# Altium PCB mcb2.PcbDoc (part 1 of 2)
Units mm, origin at the board's own origin, x right, y up, seen from the top; angles counter-clockwise.
Board outline 110 x 120 mm, 4 copper layers (Top Layer, GND, PWR, Bottom Layer), stack 1.537 mm thick; 173 components, 192 nets, 761 pads, 380 vias.
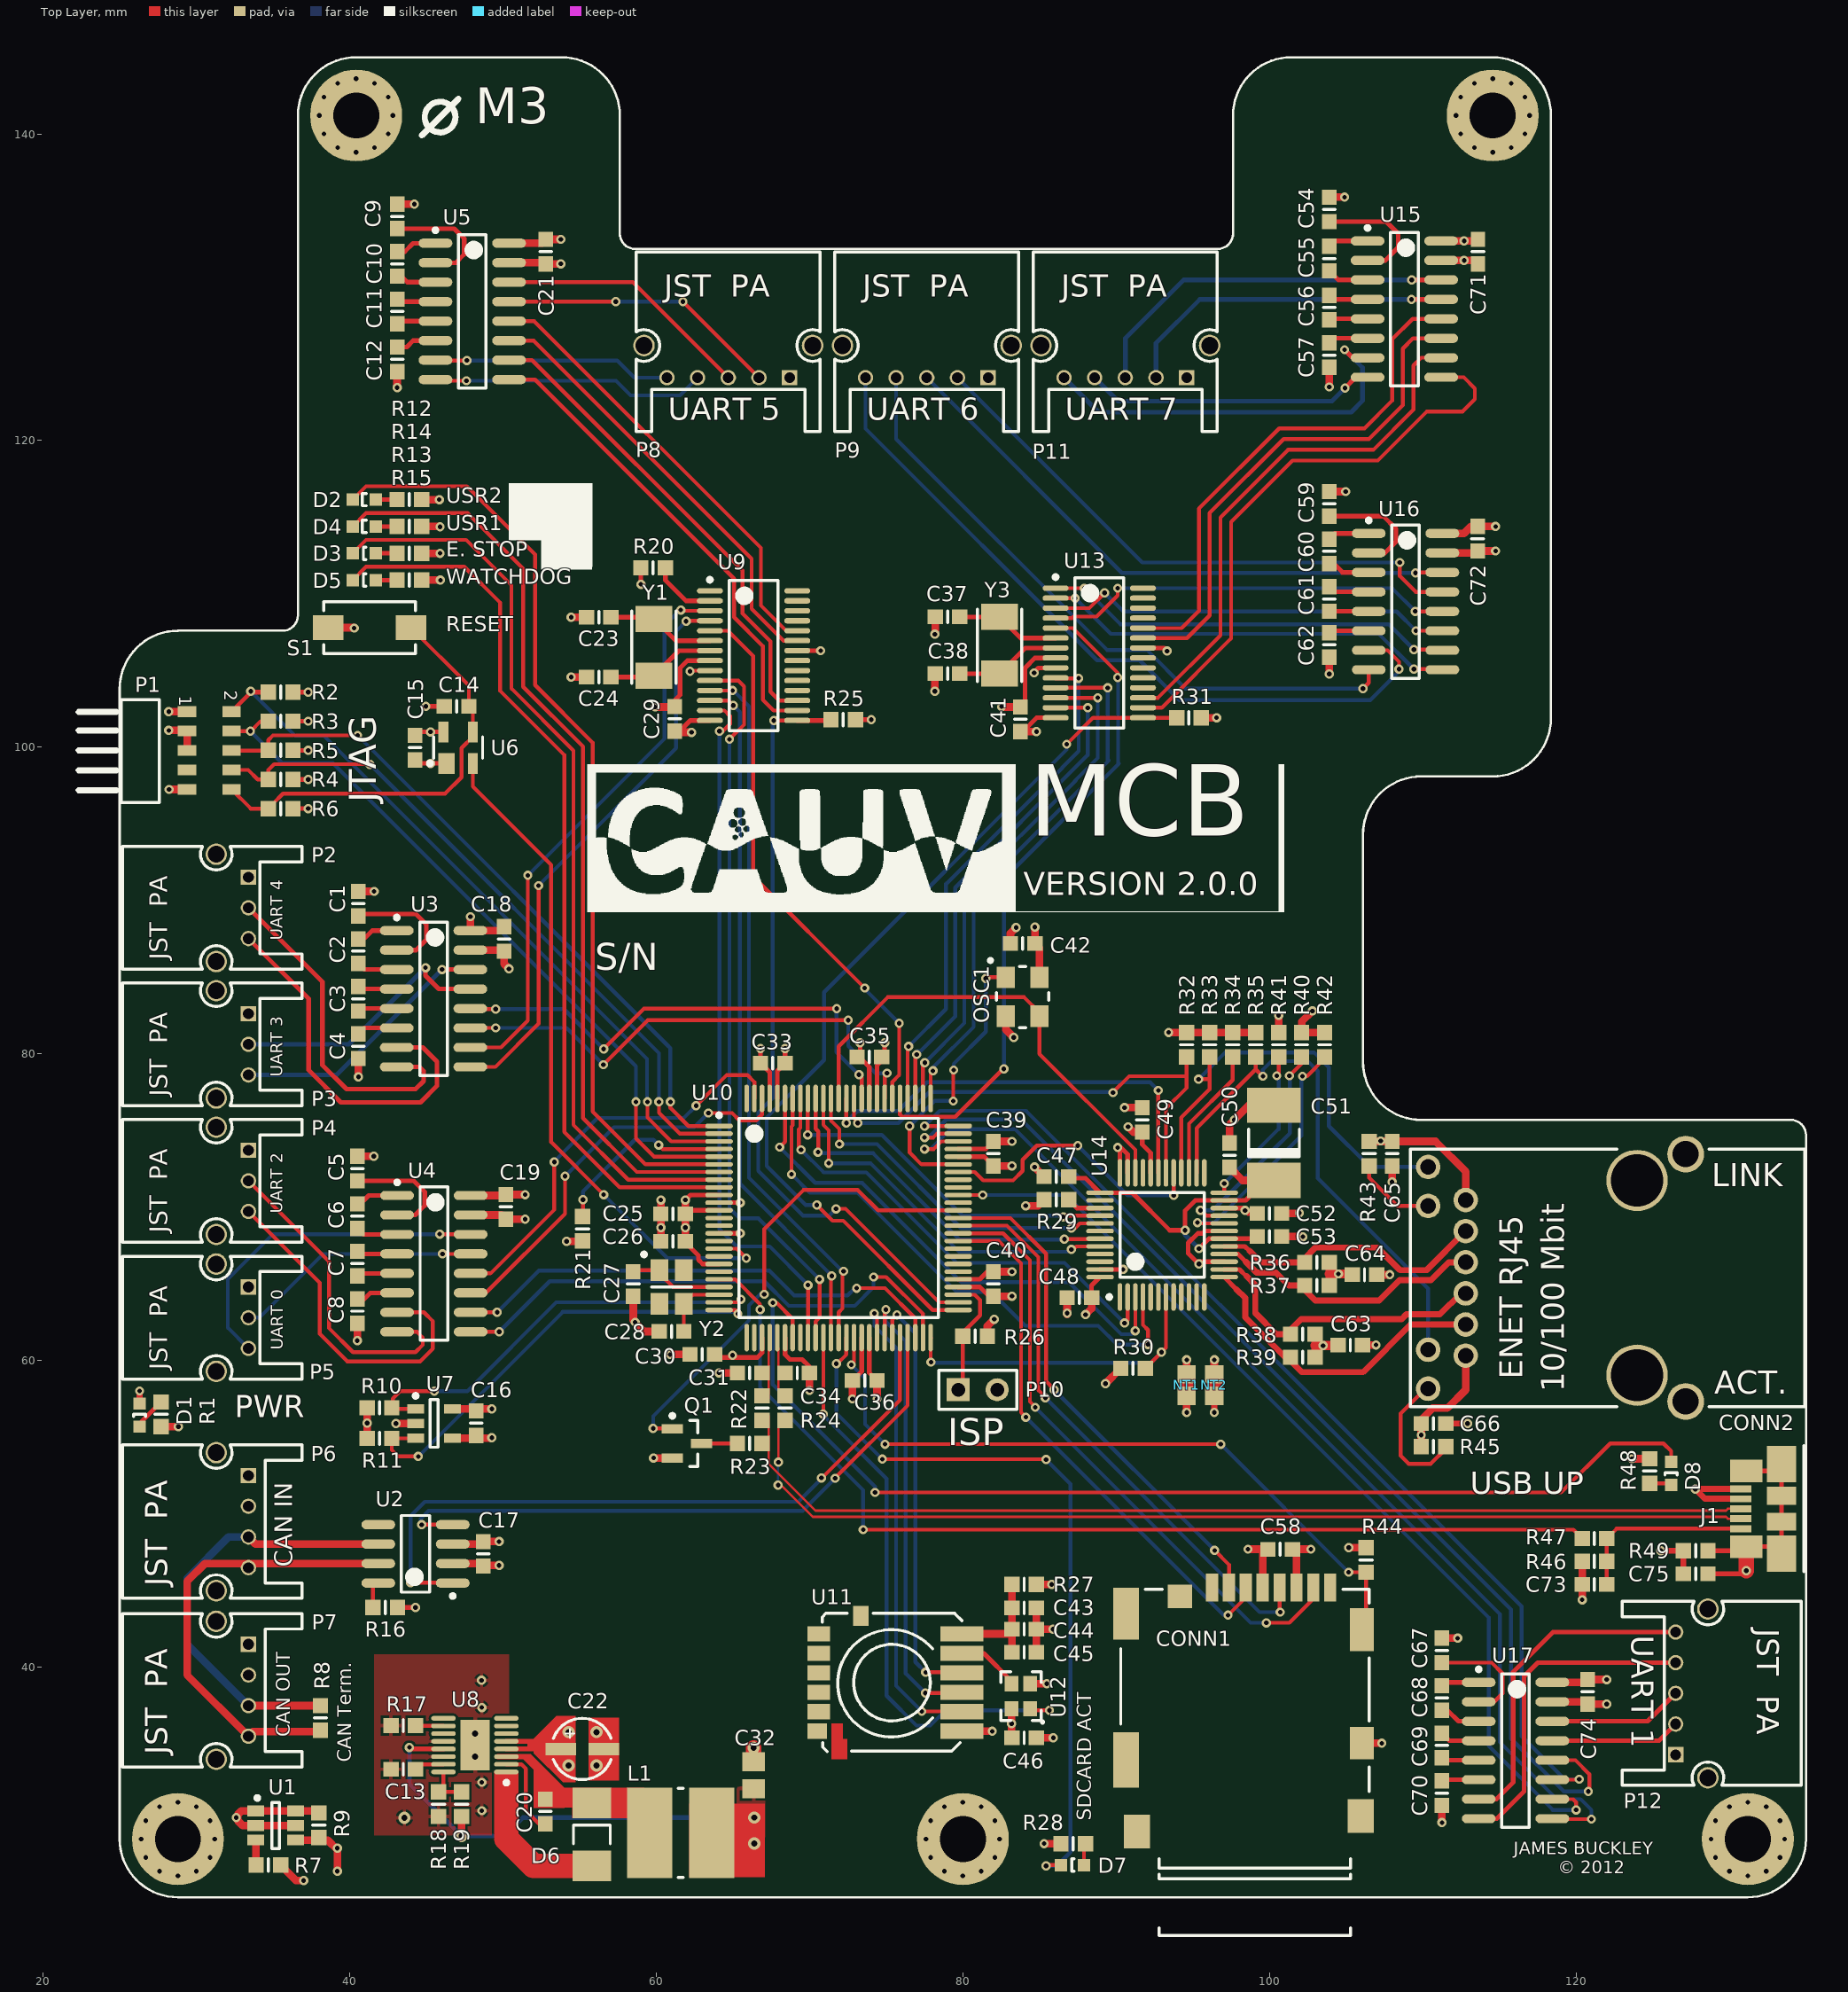
[diagram p0: Top Layer view]
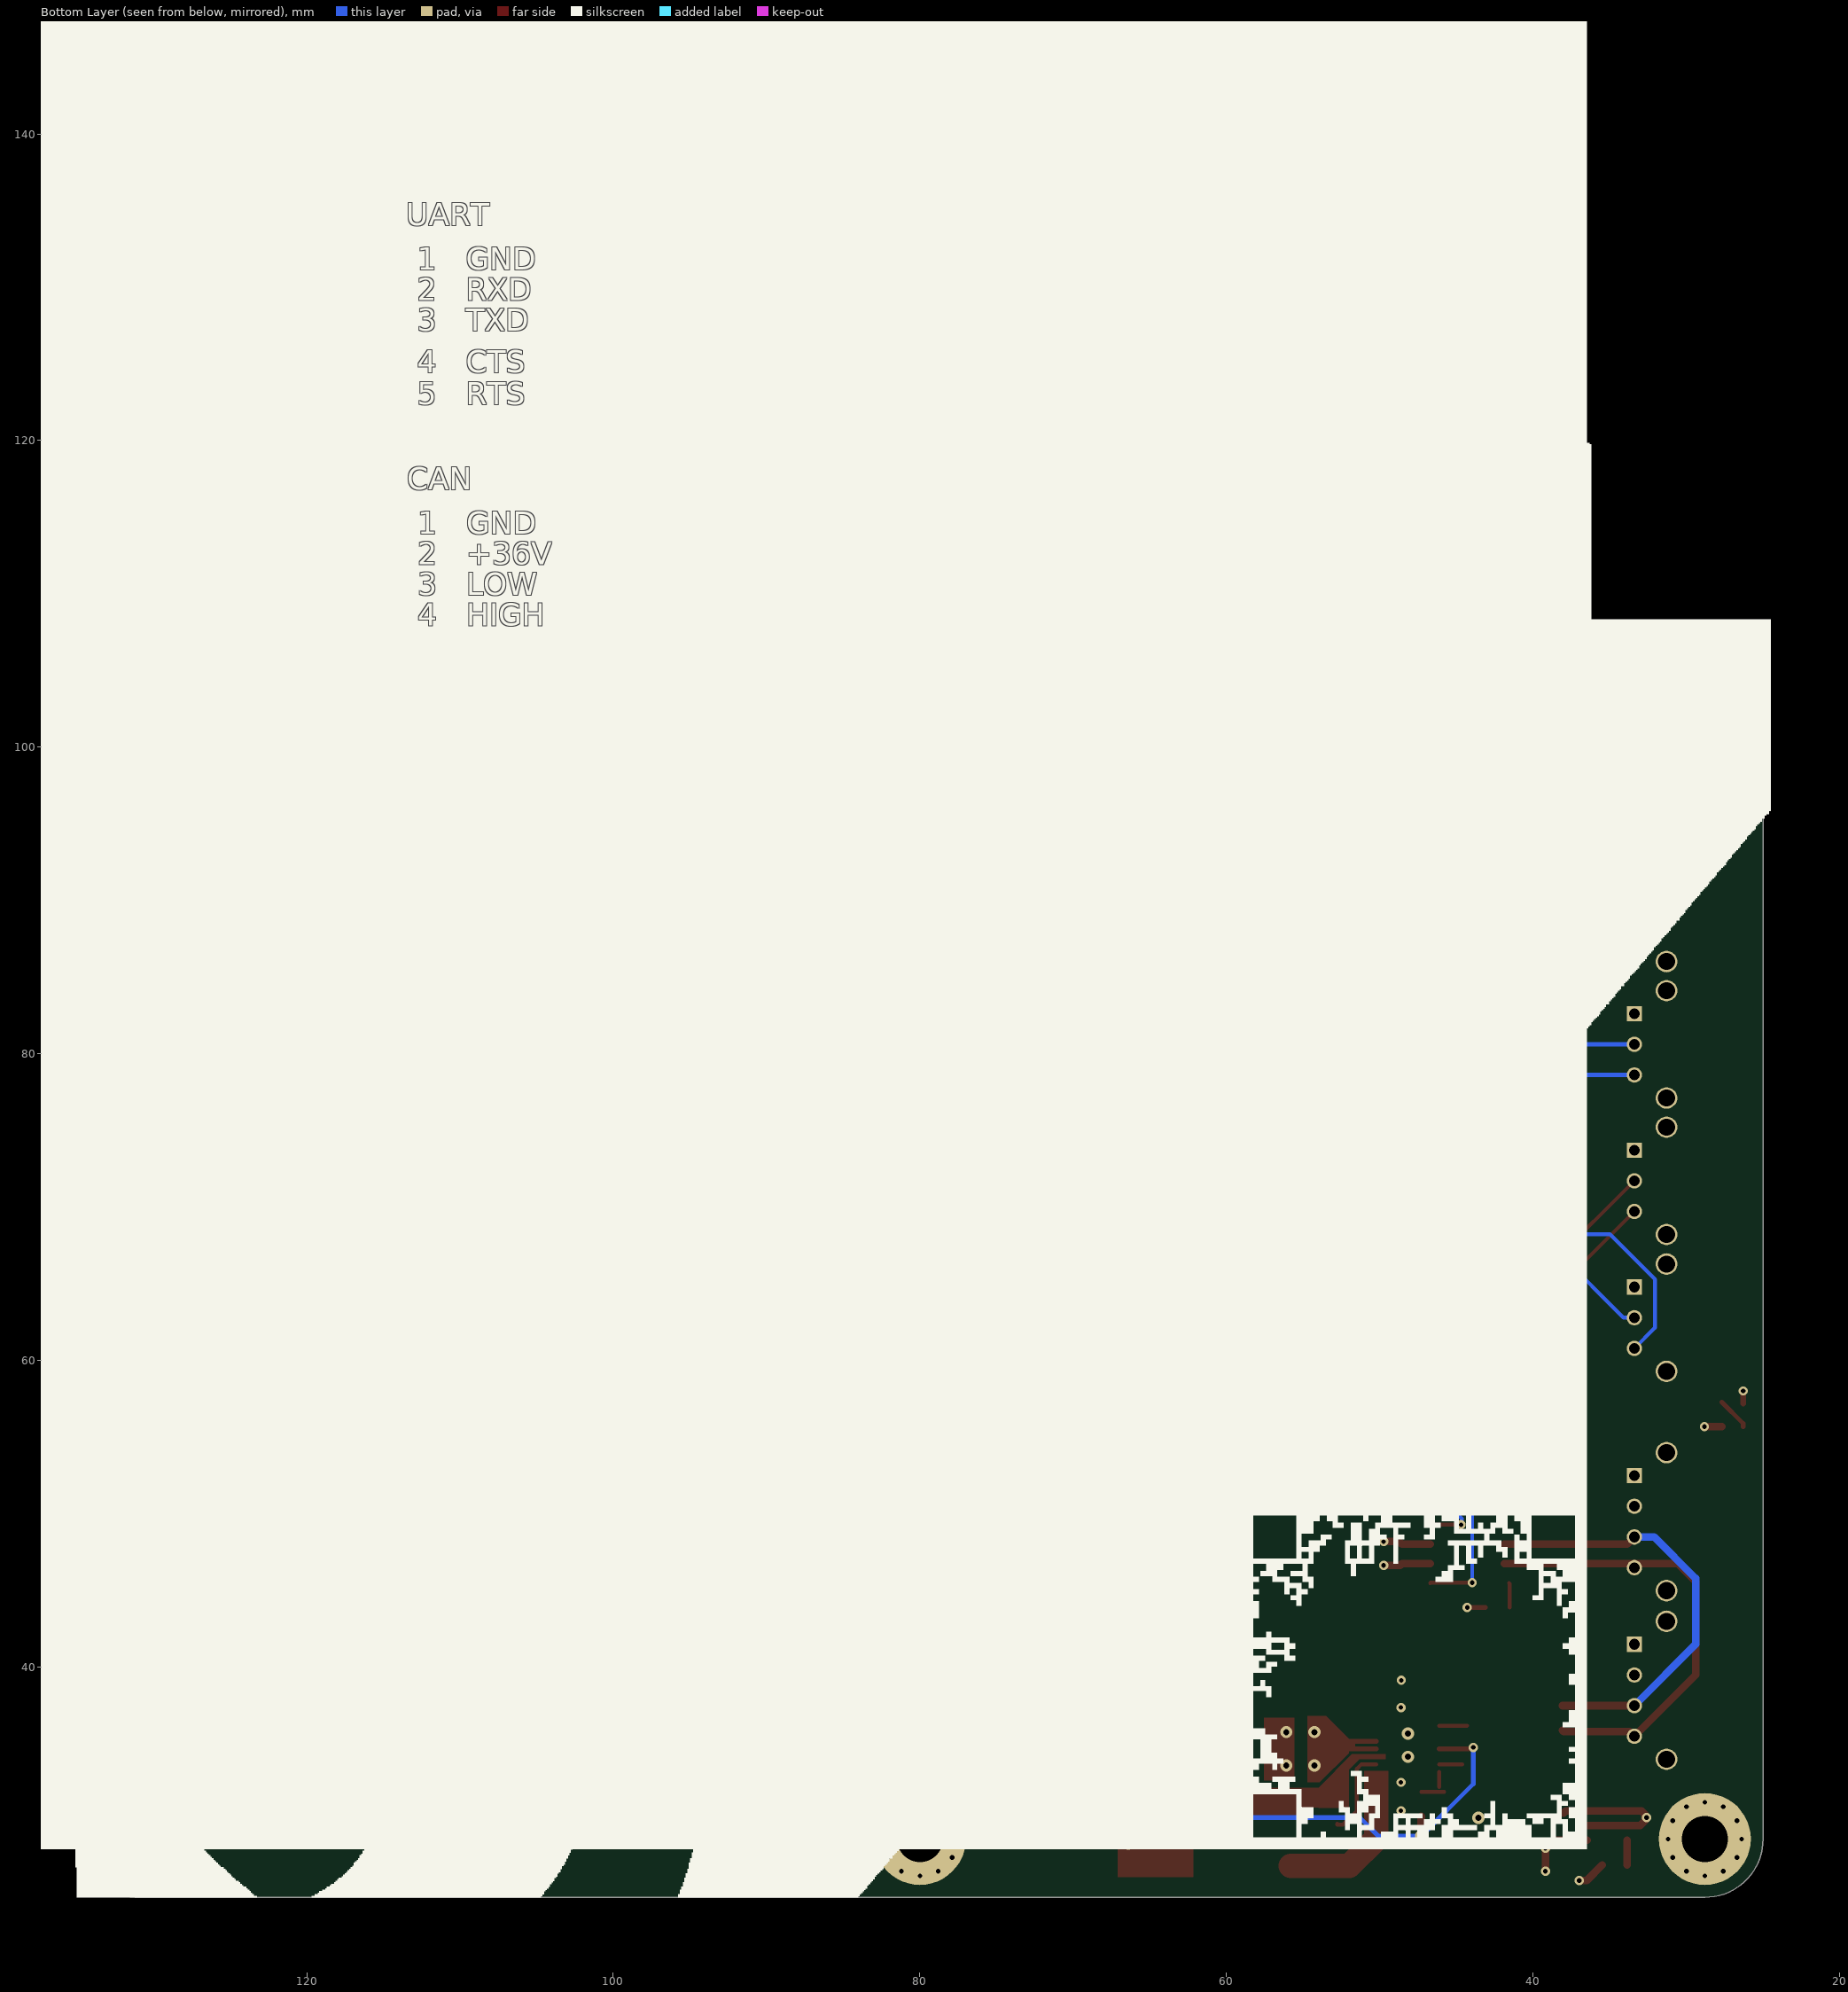
[diagram p1: Bottom Layer view, seen from below]
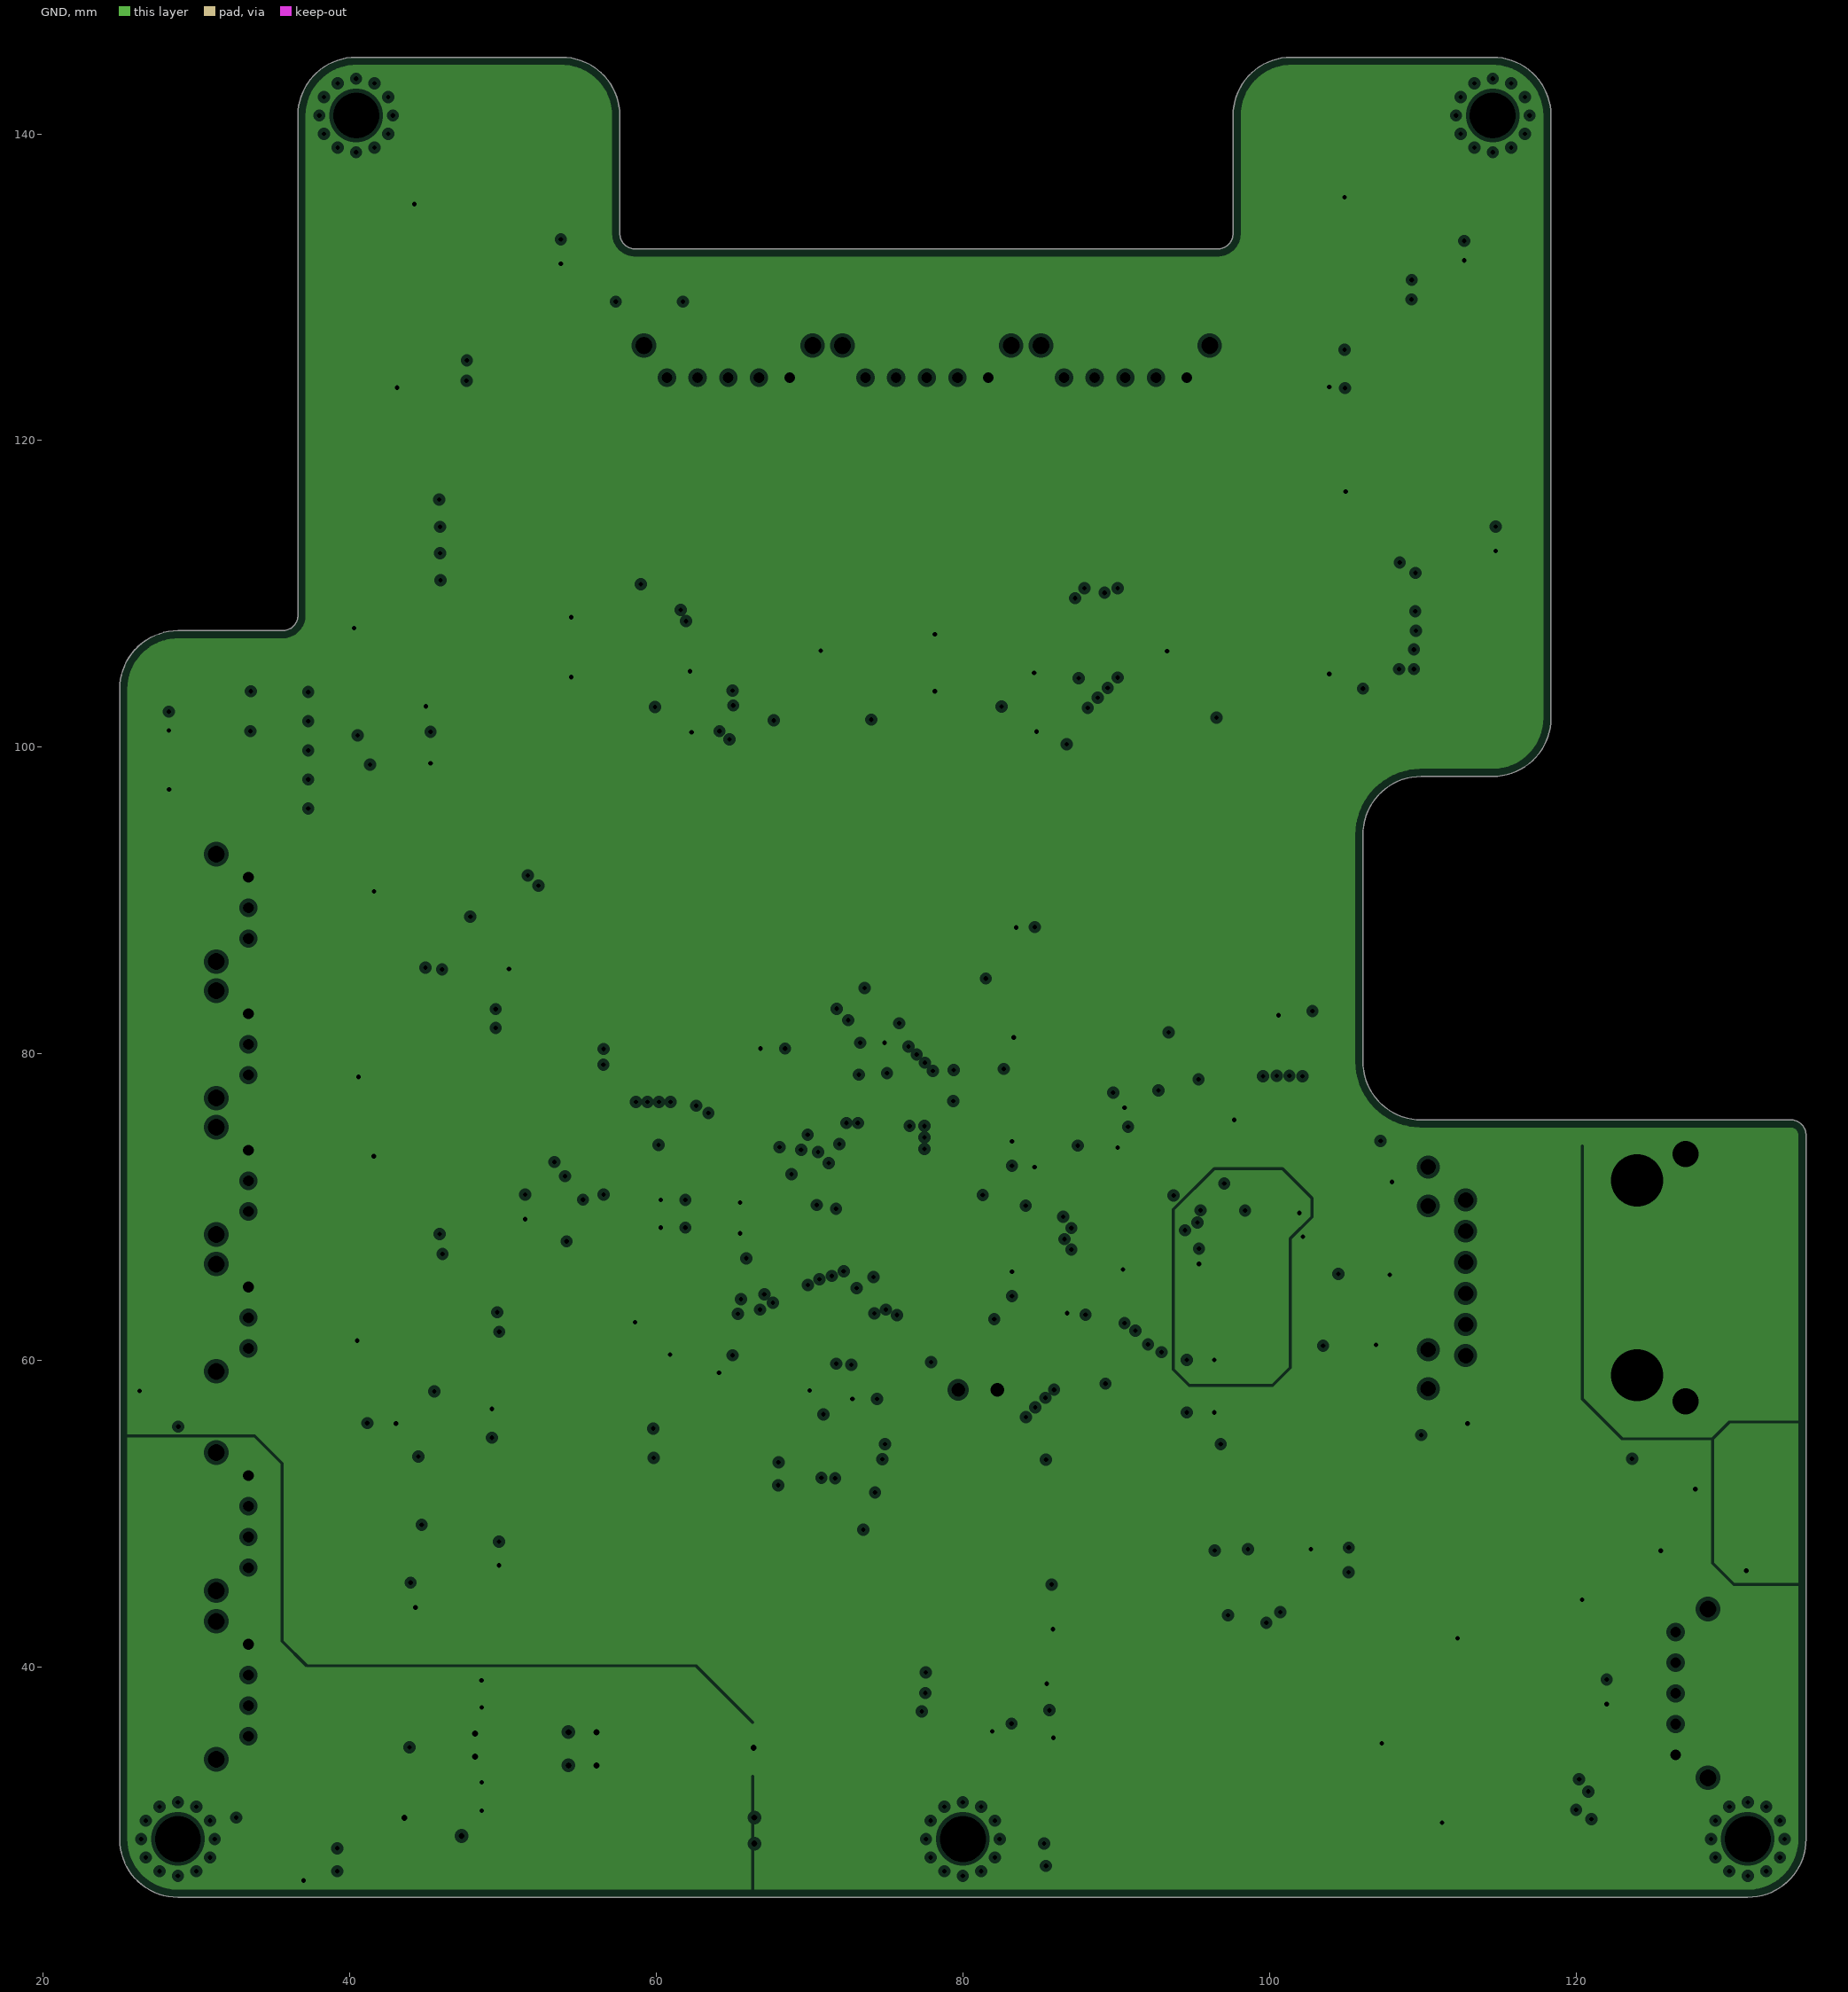
[diagram p2: GND, clearances drawn from the general rule]
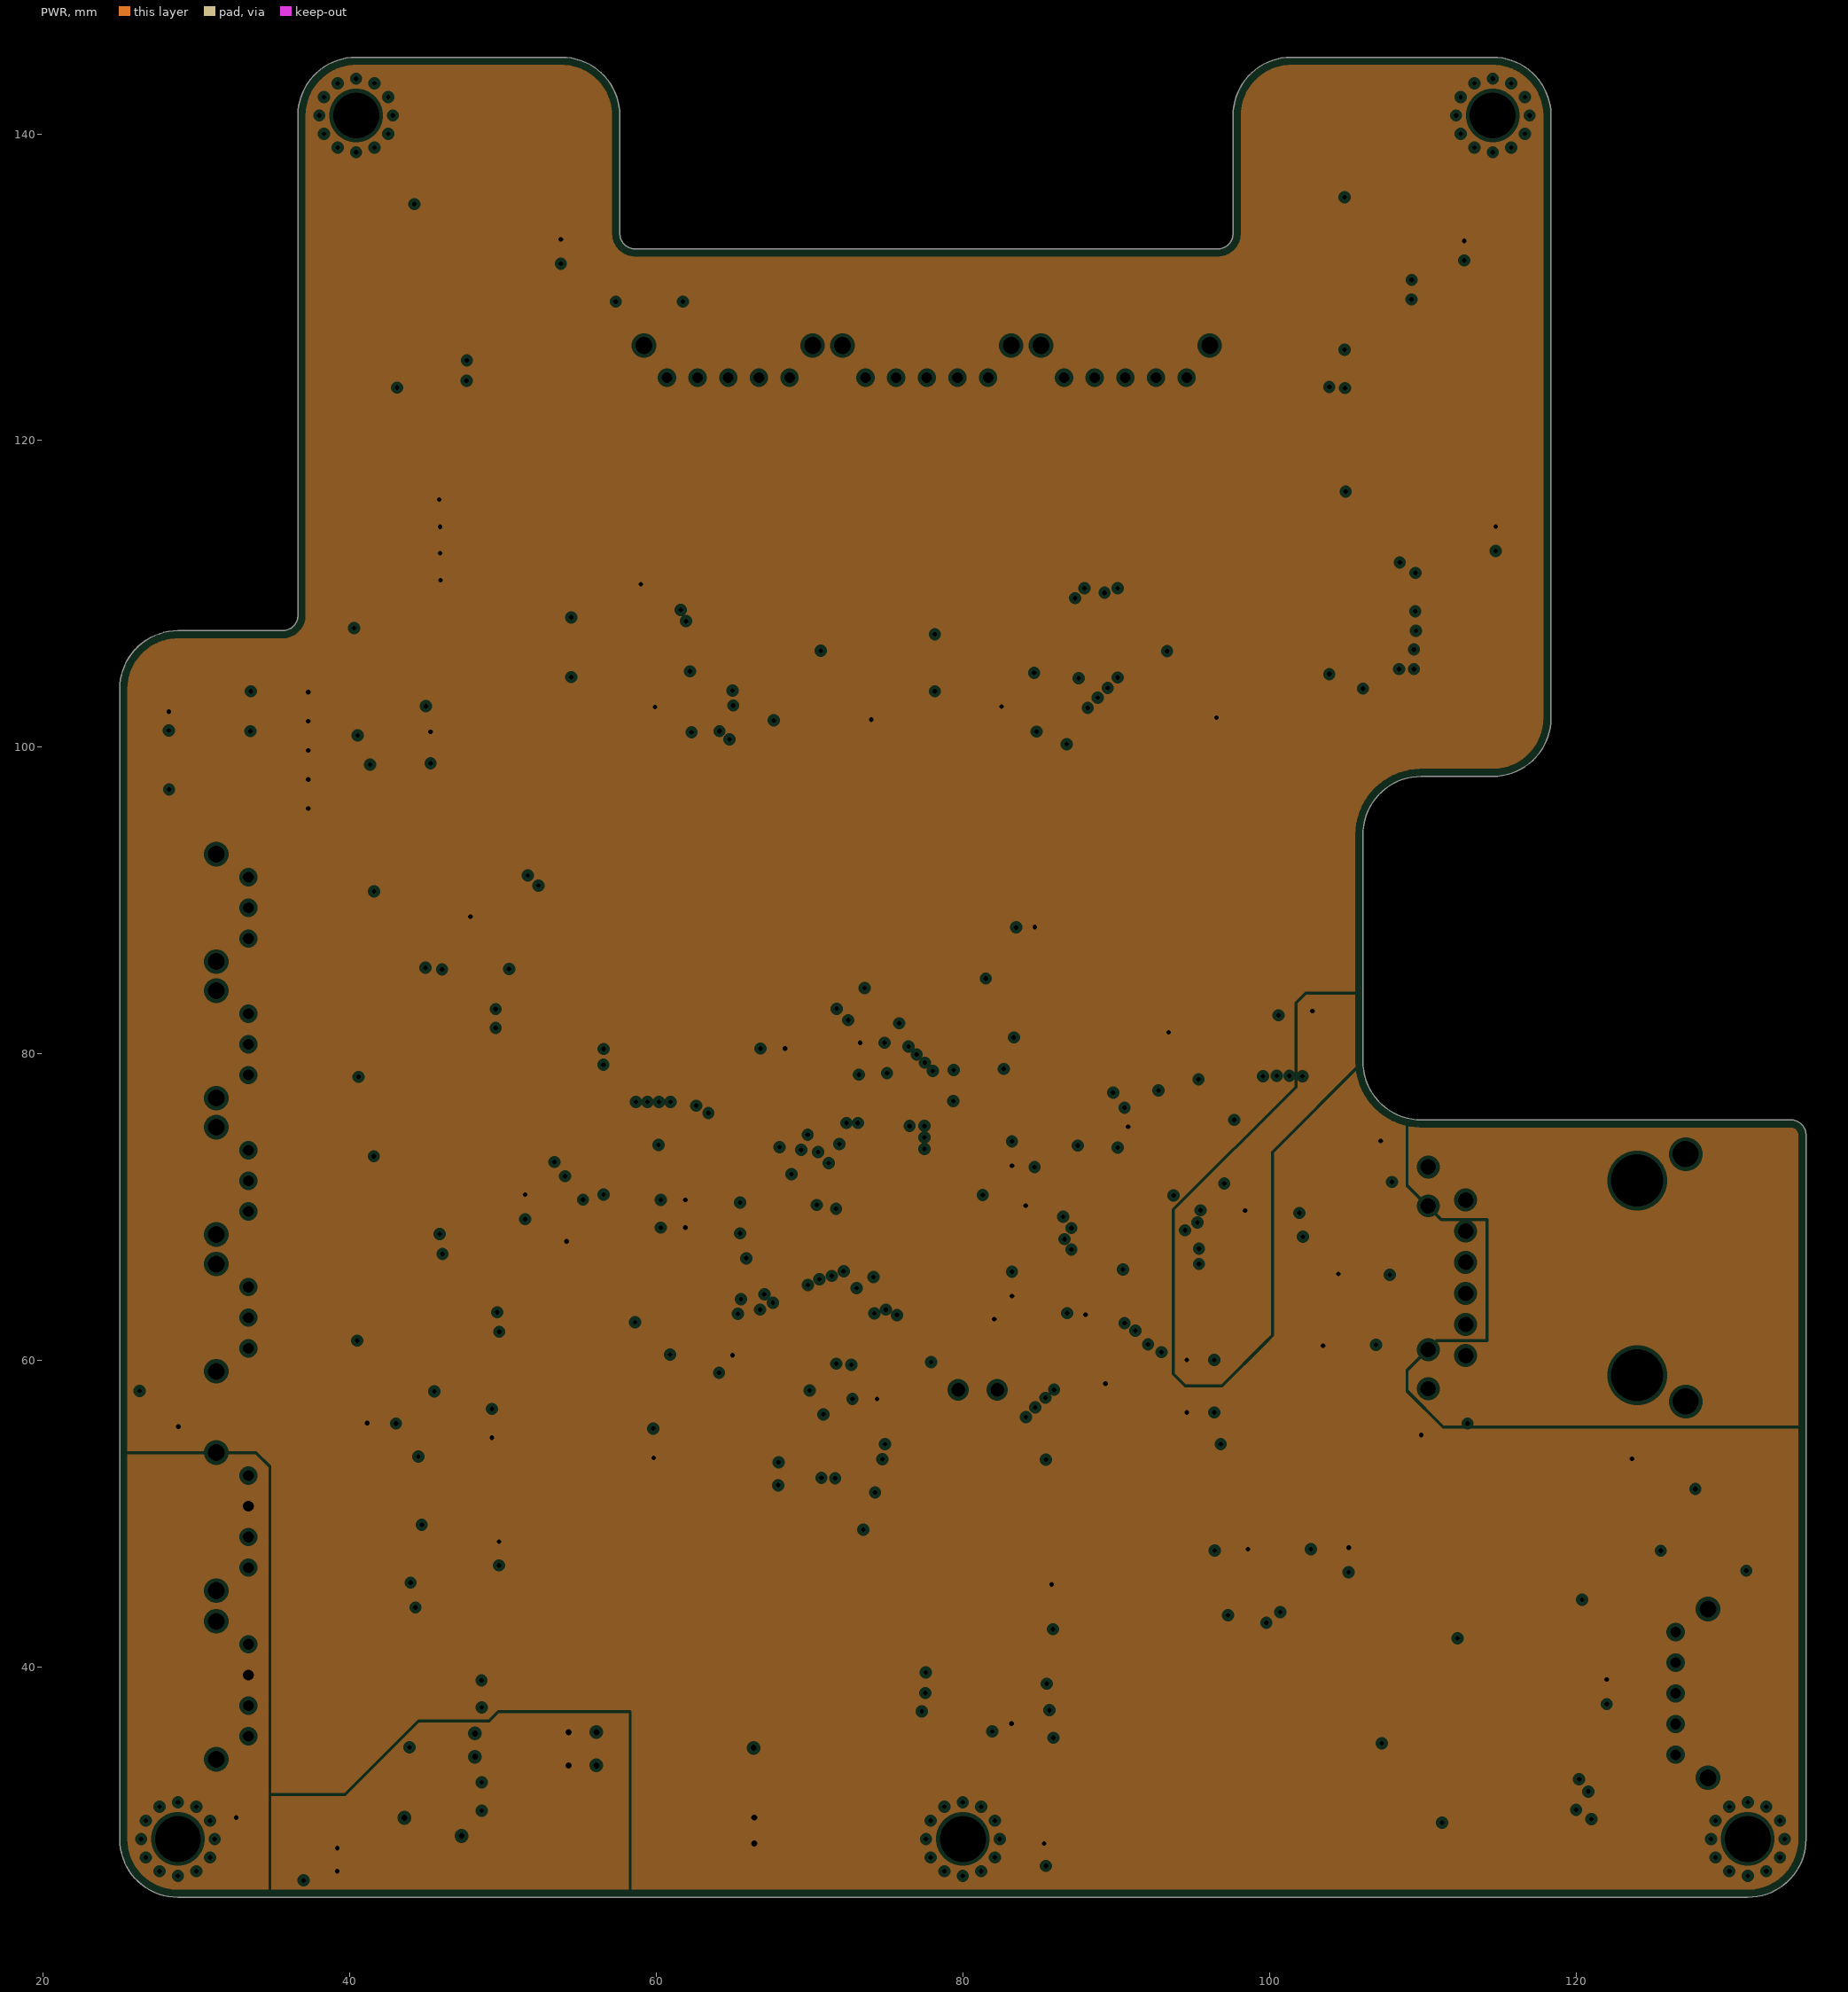
[diagram p3: PWR, clearances drawn from the general rule]

## Layer stack, top to bottom
Top Layer: signal copper 0.018
Dielectric: core 0.22, FR-4, Dk 4.2
GND: plane copper 0.035, net (Multiple Nets)
Dielectric: prepreg 0.9906, FR-4, Dk 4.55
PWR: plane copper 0.035, net (Multiple Nets)
Dielectric: core 0.22, FR-4, Dk 4.2
Bottom Layer: signal copper 0.018

## Board outline
28.8,25 cw(c28.8,28.8) 25,28.8 25,103.8 cw(c28.8,103.8) 28.8,107.6 28.803,107.603 35.625,107.603 ccw(c35.625,108.603) 36.625,108.603 36.625,141.2 cw(c40.425,141.2) 40.425,145 53.825,145 cw(c53.825,141.2) 57.625,141.2 57.625,133.5 ccw(c58.625,133.5) 58.625,132.5 96.625,132.5 ccw(c96.625,133.5) 97.625,133.5 97.625,141.2 cw(c101.425,141.2) 101.425,145 114.565,145 cw(c114.565,141.2) 118.365,141.2 118.365,101.9 cw(c114.565,101.9) 114.565,98.1 109.9,98.1 ccw(c109.9,94.3) 106.1,94.3 106.1,79.5 ccw(c109.9,79.5) 109.9,75.7 134,75.7 cw(c134,74.7) 135,74.7 135,28.8 cw(c131.2,28.8) 131.2,25

## Design rules (kind name [scope] priority, off if disabled: settings)
Clearance [All] p1: gap=0.15
ComponentClearance [All] p1: gap=0.25 collisioncheckmode=3 verticalgap=0.25 showdistances=FALSE
DiffPairsRouting [All] p1: maxlimit=0.3 minlimit=0.2 mostfreqgap=0.26 maxuncoupledlength=12.7
HoleSize [All] p1: absolutevalues=TRUE maxlimit=10 minlimit=0.2 maxpercent=80.000 minpercent=20.000
HoleToHoleClearance [All] p1: gap=0.25 allowstackedmicrovias=TRUE
MinimumAnnularRing [All] p1: minimumring=0.15
MinimumSolderMaskSliver [All] p1: minsoldermaskwidth=0.125
PlaneClearance [All] p1: clearance=0.25
PlaneConnect [All] p1: planeconnectstyle=Relief reliefexpansion=0.5 reliefentries=4 reliefconductorwidth=0.25 reliefairgap=0.25
PolygonConnect [All] p1: connectstyle=Relief reliefconductorwidth=0.25 reliefentries=4 polygonreliefangle="90 Angle"
RoutingVias [All] p1: holewidth=0.3 width=0.6 viastyle="Through Hole" minholewidth=0.3 minwidth=0.6 maxholewidth=0.4 maxwidth=0.8
SilkToSilkClearance [All] p1: silktosilkclearance=0.25
SilkscreenOverComponentPads [All] p1: minsilkscreentomaskgap=0.125
SolderMaskExpansion ViaCovering [(IsVia)] p1: expansion=-10
SolderMaskExpansion [All] p2: expansion=0.125
Width Ethernet [InNetClass('Ethernet')] p1: maxlimit=0.4 minlimit=0.2 preferedwidth=0.4
Width USB [InNetClass('Usb')] p2: maxlimit=0.15 minlimit=0.15 preferedwidth=0.15
Width "CAN Power" [InNet('CAN_POWER')] p3: maxlimit=10 minlimit=0.2 preferedwidth=2
Width Power [InNetClass('Power')] p4: maxlimit=10 minlimit=0.25 preferedwidth=0.5
Width General [All] p5: maxlimit=10 minlimit=0.2 preferedwidth=0.25
19 further rules are at their usual default settings.

## Classes and differential pairs
component class U_pressure: C43 C44 C45 C46 R27 U11 U12
component class mcu: D1 NT1 NT2 R1 U10
component class "U_1-port SPI-UART bridge": C23 C24 C29 R25 U9 Y1
component class "U_1KB I2C EEPROM": C16 U7
component class "U_2-port SPI-UART bridge": C37 C38 C41 R31 U13 Y3
component class "U_ARM JTAG Header": P1 R2 R3 R4 R5 R6
component class "U_CAN Termination Connector (JST)": P6 P7 R8
component class U_3: C17 R16 U2
component class U_PSU: C13 C20 C22 C32 D6 L1 R17 R18 R19 U8
component class U_ethernet: C42 C47 C48 C49 C50 C51 C52 C53 C63 C64 C65 C66 CONN2 OSC1 R29 R30 R32 R33 R34 R35 R36 R37 R38 R39 R40 R41 R42 R43 R45 U14
component class "U_I2C 3": R10 R11
component class U_io: D2 D3 D4 D5 R12 R13 R14 R15
component class U_jtag: C25 C26 C27 C28 C30 C33 C35 C36 C39 C40 P10 R21 R26 S1 Y2
component class "U_Reset Supervisor": C14 C15 U6
component class "U_Reverse Polarity Protection": R7 R9 U1
component class U_rs232_conn: P2 P3 P4 P5 P8 P9 P11 P12
component class "U_RS232 Transciever (MAX232)1": C67 C68 C69 C70 C74 U17
component class "U_RS232 Transciever (MAX232)2": C54 C55 C56 C57 C71 U15
component class "U_RS232 Transciever (MAX232)3": C59 C60 C61 C62 C72 U16
component class "U_RS232 Transciever (MAX232)4": C9 C10 C11 C12 C21 U5
component class "U_RS232 Transciever (MAX232)5": C1 C2 C3 C4 C18 U3
component class "U_RS232 Transciever (MAX232)6": C5 C6 C7 C8 C19 U4
component class U_sdcard: C58 CONN1 D7 R28 R44
component class U_usb: C31 C34 C73 C75 D8 J1 Q1 R22 R23 R24 R46 R47 R48 R49
net class Ethernet: ENET_RD_N ENET_RD_P ENET_TD_N ENET_TD_P
net class Power: +3.3 +3.3A AGND GND NetC22_1 NetP6_2
net class Usb: USB_C_N USB_C_P USB_N USB_P
channel class "2-port SPI-UART bridge": "U_1-port SPI-UART bridge" "U_2-port SPI-UART bridge"
channel class "RS232 Transciever (MAX232)": "U_RS232 Transciever (MAX232)1" "U_RS232 Transciever (MAX232)2" "U_RS232 Transciever (MAX232)3" "U_RS232 Transciever (MAX232)4" "U_RS232 Transciever (MAX232)5" "U_RS232 Transciever (MAX232)6"
component class RS232: R20
differential pair ENET_RD: +ENET_RD_P -ENET_RD_N
differential pair ENET_TD: +ENET_TD_P -ENET_TD_N
differential pair USB_C: +USB_C_P -USB_C_N
differential pair USB: +USB_P -USB_N
